# Altium PCB 键盘-Tony.PcbDoc (part 3 of 4) (continued)
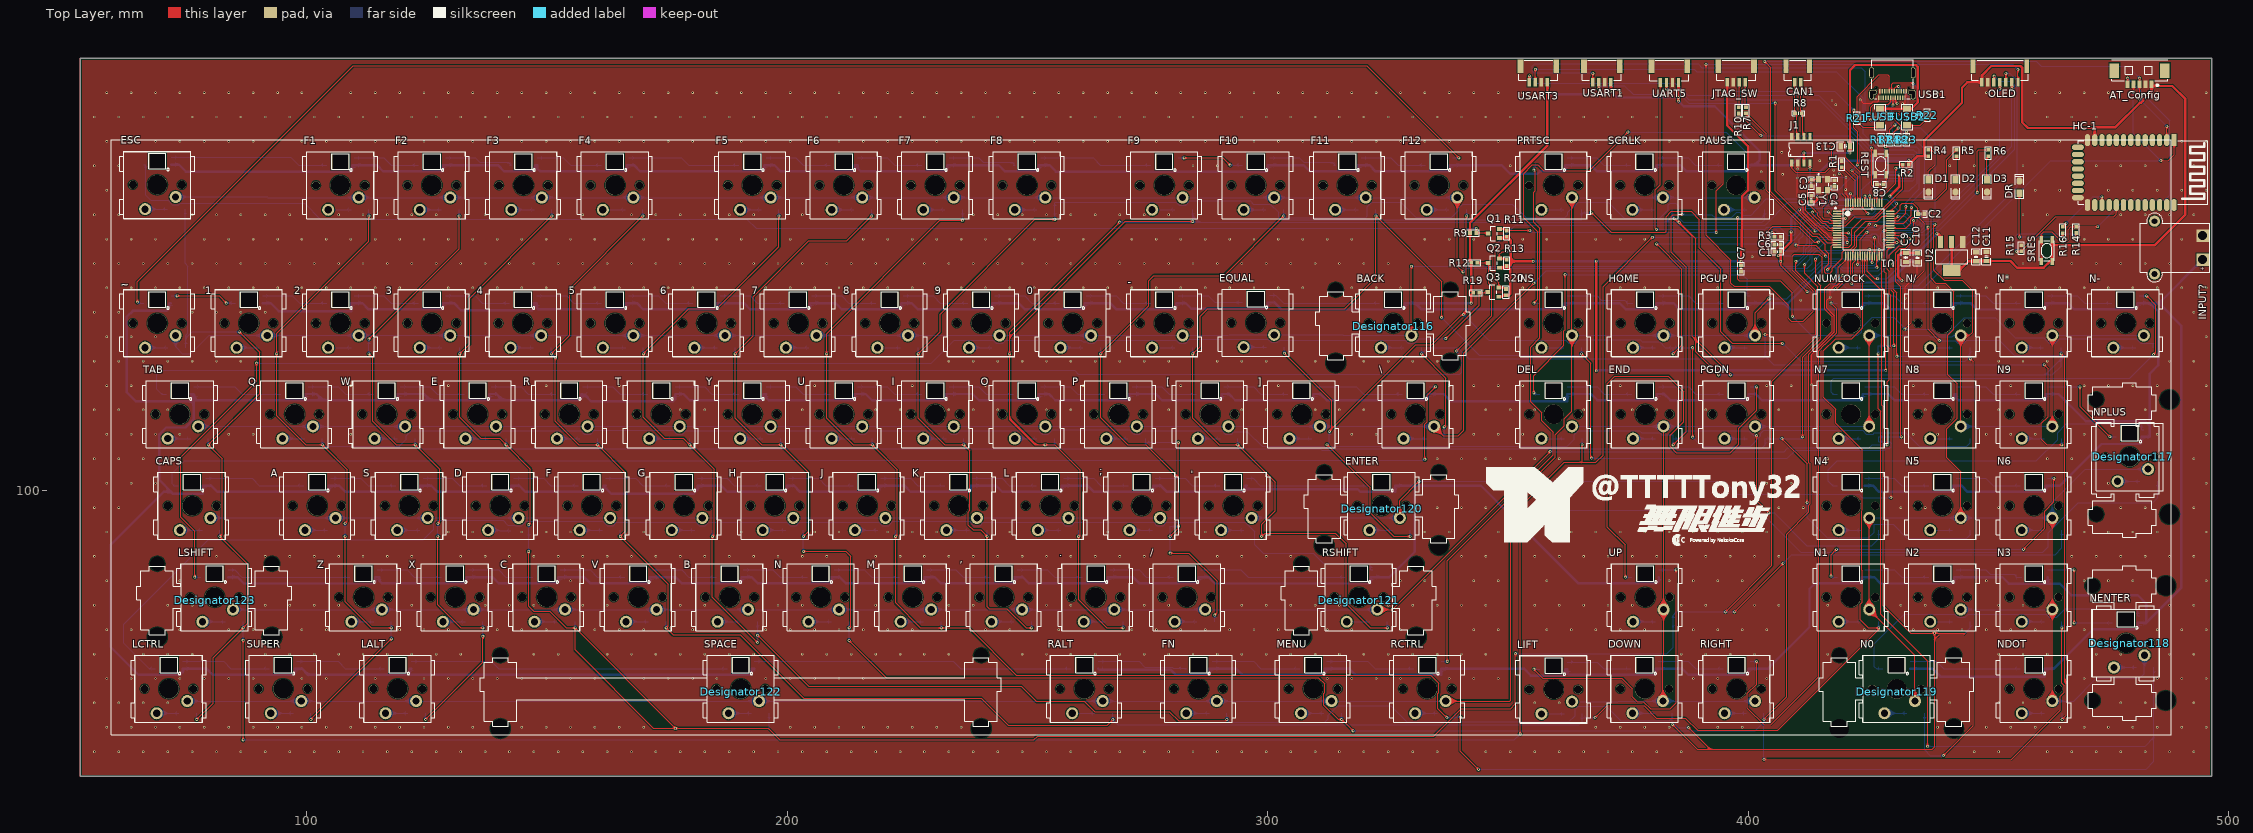
[diagram p0: Top Layer view]
## Nets (pads, with @x,y where several pads share a name; then routed paths per layer and width w, separated by ;. In a path a pad name is that pad's centre, name@x,y a point inside that pad or via, vN(x,y) a via of type N, cw(c..) or ccw(c..) an arc to the next point about the centre after c; other vN are vias at no path point) (continued)
NetD31_1: D31.1 TAB.2 | length 4.7
  Bottom Layer w0.254: TAB.2@71.12,110.871 D31.1@75.87,110.871
NetD32_1: D32.1 Q.2 | length 4.6
  Bottom Layer w0.254: Q.2@94.996,110.871 D32.1@99.619,110.871
NetD33_1: D33.1 W.2 | length 4.7
  Bottom Layer w0.254: W.2@114.173,110.871 D33.1@118.923,110.871
NetD34_1: D34.1 E.2 | length 4.7
  Bottom Layer w0.254: E.2@133.096,110.871 D34.1@137.846,110.871
NetD35_1: D35.1 R.2 | length 4.7
  Bottom Layer w0.254: R.2@152.146,110.871 D35.1@156.896,110.871
NetD36_1: D36.1 T.2 | length 4.7
  Bottom Layer w0.254: T.2@171.323,110.871 D36.1@176.073,110.871
NetD37_1: D37.1 Y.2 | length 4.7
  Bottom Layer w0.254: Y.2@190.246,110.871 D37.1@194.996,110.871
NetD38_1: D38.1 U.2 | length 4.7
  Bottom Layer w0.254: U.2@209.296,110.871 D38.1@214.046,110.871
NetD39_1: D39.1 I.2 | length 4.7
  Bottom Layer w0.254: I.2@228.346,110.871 D39.1@233.096,110.871
NetD40_1: D40.1 O.2 | length 4.6
  Bottom Layer w0.254: O.2@247.396,110.871 D40.1@252.019,110.871
NetD41_1: D41.1 P.2 | length 4.5
  Bottom Layer w0.254: P.2@266.446,110.871 D41.1@270.942,110.871
NetD47_1: D47.1 S.2 | length 4.7
  Bottom Layer w0.254: S.2@118.872,91.821 D47.1@123.622,91.821
NetD48_1: D48.1 D.2 | length 4.8
  Bottom Layer w0.254: D.2@137.795,91.821 140.106,91.821 140.233,91.694 D48.1@142.545,91.694
NetD49_1: D49.1 F.2 | length 4.7
  Bottom Layer w0.254: F.2@156.845,91.821 D49.1@161.595,91.821
NetD50_1: D50.1 G.2 | length 4.7
  Bottom Layer w0.254: G.2@176.022,91.821 D50.1@180.772,91.821
NetD51_1: D51.1 H.2 | length 4.7
  Bottom Layer w0.254: H.2@194.945,91.821 D51.1@199.695,91.821
NetD52_1: D52.1 J.2 | length 4.7
  Bottom Layer w0.254: J.2@214.122,91.821 D52.1@218.872,91.821
NetD53_1: D53.1 K.2 | length 4.7
  Bottom Layer w0.254: K.2@233.172,91.821 D53.1@237.922,91.821
NetD54_1: D54.1 L.2 | length 4.7
  Bottom Layer w0.254: L.2@252.222,91.821 D54.1@256.972,91.821
NetD57_1: D57.1 ENTER.2 | length 4.7
  Bottom Layer w0.254: ENTER.2@321.183,91.821 D57.1@325.933,91.821
NetD58_1: D58.1 LSHIFT.2 | length 4.7
  Bottom Layer w0.254: LSHIFT.2@78.359,72.771 D58.1@83.109,72.771
NetD59_1: D59.1 Z.2 | length 4.6
  Bottom Layer w0.254: Z.2@109.347,72.771 D59.1@113.97,72.771
NetD60_1: D60.1 X.2 | length 4.6
  Bottom Layer w0.254: X.2@128.397,72.771 D60.1@133.02,72.771
NetD62_1: D62.1 V.2 | length 4.6
  Bottom Layer w0.254: V.2@166.497,72.771 D62.1@171.12,72.771
NetD64_1: D64.1 N.2 | length 4.7
  Bottom Layer w0.254: N.2@204.47,72.771 D64.1@209.22,72.771
NetD65_1: D65.1 M.2 | length 4.7
  Bottom Layer w0.254: M.2@223.647,72.771 D65.1@228.397,72.771
NetD69_1: D69.1 RSHIFT.2 | length 4.7
  Bottom Layer w0.254: RSHIFT.2@316.484,72.771 D69.1@321.234,72.771
NetD70_1: D70.1 LCTRL.2 | length 4.6
  Bottom Layer w0.254: LCTRL.2@68.834,53.721 D70.1@73.457,53.721
NetD71_1: D71.1 SUPER.2 | length 4.6
  Bottom Layer w0.254: SUPER.2@92.583,53.721 D71.1@97.206,53.721
NetD72_1: D72.1 LALT.2 | length 4.6
  Bottom Layer w0.254: LALT.2@116.459,53.721 D72.1@121.082,53.721
NetD73_1: D73.1 SPACE.2 | length 4.7
  Bottom Layer w0.254: SPACE.2@187.833,53.721 D73.1@192.583,53.721
NetD74_1: D74.1 RALT.2 | length 4.7
  Bottom Layer w0.254: RALT.2@259.334,53.721 D74.1@264.084,53.721
NetD75_1: D75.1 FN.2 | length 4.7
  Bottom Layer w0.254: FN.2@283.083,53.721 D75.1@287.833,53.721
NetD76_1: D76.1 MENU.2 | length 4.7
  Bottom Layer w0.254: MENU.2@306.959,53.721 D76.1@311.709,53.721
NetD77_1: D77.1 RCTRL.2 | length 4.6
  Bottom Layer w0.254: RCTRL.2@330.708,53.721 D77.1@335.331,53.721
NetD78_1: D78.1 PRTSC.2 | length 4.6
  Bottom Layer w0.254: PRTSC.2@356.997,158.496 D78.1@361.62,158.496
NetD79_1: D79.1 SCRLK.2 | length 4.6
  Bottom Layer w0.254: SCRLK.2@375.92,158.496 D79.1@380.543,158.496
NetD80_1: D80.1 PAUSE.2 | length 4.7
  Bottom Layer w0.254: PAUSE.2@394.97,158.496 D80.1@399.72,158.496
NetD81_1: D81.1 INS.2 | length 4.6
  Bottom Layer w0.254: INS.2@356.997,129.794 D81.1@361.62,129.794
NetD82_1: D82.1 HOME.2 | length 4.6
  Bottom Layer w0.254: HOME.2@376.047,129.794 D82.1@380.67,129.794
NetD83_1: D83.1 PGUP.2 | length 4.7
  Bottom Layer w0.254: PGUP.2@395.097,129.794 D83.1@399.847,129.794
NetD84_1: D84.1 DEL.2 | length 4.7
  Bottom Layer w0.254: DEL.2@356.997,110.871 D84.1@361.747,110.871
NetD85_1: D85.1 END.2 | length 4.6
  Bottom Layer w0.254: END.2@376.047,110.871 D85.1@380.67,110.871
NetD86_1: D86.1 PGDN.2 | length 4.7
  Bottom Layer w0.254: PGDN.2@395.097,110.871 D86.1@399.847,110.871
NetD87_1: D87.1 UP.2 | length 4.6
  Bottom Layer w0.254: UP.2@376.047,72.771 D87.1@380.67,72.771
NetD88_1: D88.1 LIFT.2 | length 4.7
  Bottom Layer w0.254: LIFT.2@356.997,53.594 D88.1@361.747,53.594
NetD89_1: D89.1 DOWN.2 | length 4.6
  Bottom Layer w0.254: DOWN.2@375.92,53.721 D89.1@380.543,53.721
NetD90_1: D90.1 RIGHT.2 | length 4.5
  Bottom Layer w0.254: RIGHT.2@395.097,53.721 D90.1@399.593,53.721
NetD91_1: D91.1 NUMLOCK.2 | length 4.5
  Bottom Layer w0.254: NUMLOCK.2@418.846,129.794 D91.1@423.342,129.794
NetD92_1: D92.1 N/.2 | length 4.6
  Bottom Layer w0.254: N/.2@437.896,129.794 D92.1@442.519,129.794
NetD93_1: D93.1 N*.2 | length 4.5
  Bottom Layer w0.254: N*.2@456.946,129.794 D93.1@461.442,129.794
NetD94_1: D94.1 N-.2 | length 4.6
  Bottom Layer w0.254: N-.2@475.996,129.794 D94.1@480.619,129.794
NetD95_1: D95.1 N7.2 | length 4.6
  Bottom Layer w0.254: N7.2@418.846,110.871 D95.1@423.469,110.871
NetD96_1: D96.1 N8.2 | length 4.6
  Bottom Layer w0.254: N8.2@437.896,110.871 D96.1@442.519,110.871
NetD97_1: D97.1 N9.2 | length 4.6
  Bottom Layer w0.254: N9.2@456.946,110.871 D97.1@461.569,110.871
NetD98_1: D98.1 NPLUS.2 | length 4.6
  Bottom Layer w0.254: NPLUS.2@476.885,101.981 D98.1@481.508,101.981
NetD99_1: D99.1 N4.2 | length 4.6
  Bottom Layer w0.254: N4.2@418.846,91.821 D99.1@423.469,91.821
NetD100_1: D100.1 N5.2 | length 4.6
  Bottom Layer w0.254: N5.2@437.896,91.821 D100.1@442.519,91.821
NetD101_1: D101.1 N6.2 | length 4.6
  Bottom Layer w0.254: N6.2@456.946,91.821 D101.1@461.569,91.821
NetD102_1: D102.1 N1.2 | length 4.6
  Bottom Layer w0.254: N1.2@418.846,72.771 D102.1@423.469,72.771
NetD103_1: D103.1 N2.2 | length 4.6
  Bottom Layer w0.254: N2.2@437.896,72.771 D103.1@442.519,72.771
NetD104_1: D104.1 N3.2 | length 4.6
  Bottom Layer w0.254: N3.2@456.946,72.771 D104.1@461.569,72.771
NetD105_1: D105.1 NENTER.2 | length 4.6
  Bottom Layer w0.254: NENTER.2@476.123,63.246 D105.1@480.746,63.246
NetD106_1: D106.1 N0.2 | length 4.6
  Bottom Layer w0.254: N0.2@428.371,53.721 D106.1@432.994,53.721
NetD107_1: D107.1 NDOT.2 | length 4.7
  Bottom Layer w0.254: NDOT.2@456.946,53.721 D107.1@461.645,53.721
NetD_4: D.4 F.6 | length 14
  Bottom Layer w0.254: D.4@143.185,102.604 149.377,102.604 150.877,101.104 F.6@156.535,101.104
NetD_6: D.6 S.4 | length 13.8
  Bottom Layer w0.254: S.4@124.262,102.604 130.378,102.604 131.878,101.104 D.6@137.485,101.104
NetDEL_4: DEL.4 END.6 | length 14
  Bottom Layer w0.254: DEL.4@362.387,121.654 368.579,121.654 370.079,120.154 END.6@375.737,120.154
NetDOWN_4: DOWN.4 RIGHT.6 | length 14.1
  Bottom Layer w0.254: DOWN.4@381.31,64.504 387.553,64.504 389.053,63.004 RIGHT.6@394.787,63.004
NetDOWN_6: DOWN.6 LIFT.4 | length 13.8
  Bottom Layer w0.254: LIFT.4@362.387,64.377 368.579,64.377 369.952,63.004 DOWN.6@375.61,63.004
NetDR_1: DR.1 R16.2 | length 18.9
  Top Layer w0.254: v2(456.438,152.832) DR.1@456.438,161.925 ; v2(465.455,152.832) R16.2@465.455,153.64
  Bottom Layer w0.254: v2(456.438,152.832) v2(465.455,152.832)
NetE_4: E.4 R.6 | length 14
  Bottom Layer w0.254: E.4@138.486,121.654 144.678,121.654 146.178,120.154 R.6@151.836,120.154
NetE_6: E.6 W.4 | length 13.8
  Bottom Layer w0.254: W.4@119.563,121.654 125.679,121.654 127.179,120.154 E.6@132.786,120.154
NetEND_4: END.4 PGDN.6 | length 14
  Bottom Layer w0.254: END.4@381.437,121.654 387.629,121.654 389.129,120.154 PGDN.6@394.787,120.154
NetESC_4: ESC.4 F1.6 | length 33.1
  Bottom Layer w0.254: ESC.4@71.811,169.406 96.761,169.406 98.388,167.779 F1.6@104.211,167.779
NetF1_4: F1.4 F2.6 | length 14
  Bottom Layer w0.254: F1.4@109.911,169.279 116.103,169.279 117.603,167.779 F2.6@123.261,167.779
NetF2_4: F2.4 F3.6 | length 14.5
  Bottom Layer w0.254: F2.4@128.961,169.279 135.153,169.279 136.056,168.377 141.986,168.377 142.584,167.779 F3.6@142.311,167.779
NetF3_4: F3.4 F4.6 | length 14
  Bottom Layer w0.254: F3.4@148.011,169.279 153.45,169.279 154.95,167.779 F4.6@161.361,167.779
NetF4_4: F4.4 F5.6 | length 23.5
  Bottom Layer w0.254: F4.4@167.061,169.279 178.003,169.279 179.503,167.779 F5.6@189.936,167.779
NetF5_4: F5.4 F6.6 | length 14
  Bottom Layer w0.254: F5.4@195.636,169.279 201.828,169.279 203.328,167.779 F6.6@208.986,167.779
NetF6_4: F6.4 F7.6 | length 14
  Bottom Layer w0.254: F6.4@214.686,169.279 220.878,169.279 222.378,167.779 F7.6@228.036,167.779
NetF7_4: F7.4 F8.6 | length 14.5
  Bottom Layer w0.254: F7.4@233.736,169.279 239.928,169.279 240.831,168.377 246.761,168.377 247.359,167.779 F8.6@247.086,167.779
NetF8_4: F8.4 F9.6 | length 23.5
  Bottom Layer w0.254: F8.4@252.786,169.279 263.728,169.279 265.228,167.779 F9.6@275.661,167.779
NetF9_4: F9.4 F10.6 | length 14
  Top Layer w0.254: v2(282.651,169.291) 290.69,169.291 v2(292.202,167.779)
  Bottom Layer w0.254: F9.4@281.361,169.279 282.639,169.279 v2(282.651,169.291) ; v2(292.202,167.779) F10.6@294.711,167.779
NetF10_4: F10.4 F11.6 | length 14.5
  Bottom Layer w0.254: F10.4@300.411,169.279 306.603,169.279 307.506,168.377 313.436,168.377 314.034,167.779 F11.6@313.761,167.779
NetF11_4: F11.4 F12.6 | length 14
  Bottom Layer w0.254: F11.4@319.461,169.279 325.653,169.279 327.153,167.779 F12.6@332.811,167.779
NetF_4: F.4 G.6 | length 14.1
  Bottom Layer w0.254: F.4@162.235,102.604 168.478,102.604 169.978,101.104 G.6@175.712,101.104
NetFN_4: FN.4 MENU.6 | length 18.8
  Bottom Layer w0.254: FN.4@288.473,64.504 297.078,64.504 298.578,63.004 MENU.6@306.649,63.004
NetFN_6: FN.6 RALT.4 | length 19.2
  Bottom Layer w0.254: RALT.4@264.724,64.504 273.253,64.504 274.438,63.319 280.149,63.319 280.349,63.119 282.931,63.119 283.046,63.004 FN.6@282.773,63.004
NetFUSB2_1: FUSB2.1 R22.2 | length 4.8
  Top Layer w0.254: FUSB2.1@433.07,176.085 435.815,176.085 R22.2@437.261,177.531
NetFUSB_2: FUSB.2 R21.1 | length 5.7
  Top Layer w0.254: R21.1@422.656,176.911 423.887,175.68 426.784,175.68 426.784,176.085 FUSB.2@427.482,176.085
NetG_4: G.4 H.6 | length 13.8
  Bottom Layer w0.254: G.4@181.412,102.604 187.528,102.604 189.028,101.104 H.6@194.635,101.104
NetH_4: H.4 J.6 | length 14.1
  Bottom Layer w0.254: H.4@200.335,102.604 206.578,102.604 208.078,101.104 J.6@213.812,101.104
NetHC-1_24: HC-1.24 R16.1 | length 12.5
  Top Layer w0.254: R16.1@465.455,154.94 v2(466.166,155.651) ; HC-1.24@473.622,159.493 v2(473.622,161.188)
  Bottom Layer w0.254: v2(466.166,155.651) 471.703,161.188 v2(473.622,161.188)
NetHC-1_26: HC-1.26 R14.1 R15.1 | length 42.9
  Top Layer w0.254: v2(455.803,149.845) R15.1@456.819,149.845 464.048,157.074 476.098,157.074 476.622,157.598 HC-1.26@476.622,159.493 ; v2(468.249,152.842) R14.1@468.249,153.655
  Bottom Layer w0.254: v2(455.803,149.845) 455.803,153.162 456.184,153.543 467.548,153.543 v2(468.249,152.842)
NetHOME_4: HOME.4 PGUP.6 | length 14
  Bottom Layer w0.254: HOME.4@381.437,140.577 387.629,140.577 389.129,139.077 PGUP.6@394.787,139.077
NetHOME_6: HOME.6 INS.4 | length 14.2
  Bottom Layer w0.254: INS.4@362.387,140.577 368.579,140.577 369.482,139.675 374.306,139.675 374.904,139.077 HOME.6@375.737,139.077 HOME.6@376.01,139.077
NetI_4: I.4 O.6 | length 14
  Bottom Layer w0.254: I.4@233.736,121.654 239.928,121.654 241.428,120.154 O.6@247.086,120.154
NetI_6: I.6 U.4 | length 14
  Bottom Layer w0.254: U.4@214.686,121.654 220.878,121.654 222.378,120.154 I.6@228.036,120.154
NetINS_6: INS.6 PAUSE.4 | length 84.2
  Top Layer w0.254: v2(355.422,139.077) 356.184,139.839 356.184,153.949 353.263,156.87 353.263,165.989 355.092,167.818 356.21,167.818 357.429,166.599 366.903,166.599 v2(374.98,174.676)
  Bottom Layer w0.254: v2(355.422,139.077) INS.6@356.687,139.077 ; v2(374.98,174.676) 395.453,174.676 399.948,170.18 399.948,169.279 PAUSE.4@400.36,169.279
NetJ_4: J.4 K.6 | length 14
  Bottom Layer w0.254: J.4@219.512,102.604 225.704,102.604 227.204,101.104 K.6@232.862,101.104
NetJTAG_SW_1: JTAG_SW.1 R7.1 | length 5.3
  Top Layer w0.254: JTAG_SW.1@399.395,185.039 399.395,179.994 R7.1@399.542,179.847
NetJTAG_SW_2: JTAG_SW.2 R10.1 | length 5.3
  Top Layer w0.254: R10.1@398.018,179.832 398.145,179.959 JTAG_SW.2@398.145,185.039
NetK_4: K.4 L.6 | length 14
  Bottom Layer w0.254: K.4@238.562,102.604 244.754,102.604 246.254,101.104 L.6@251.912,101.104
NetLALT_4: LALT.4 SPACE.6 | length 66.3
  Bottom Layer w0.254: LALT.4@121.849,64.504 138.493,64.504 139.993,63.004 SPACE.6@187.523,63.004
NetLALT_6: LALT.6 SUPER.4 | length 18.8
  Bottom Layer w0.254: SUPER.4@97.973,64.504 106.578,64.504 108.078,63.004 LALT.6@116.149,63.004
NetLCTRL_4: LCTRL.4 SUPER.6 | length 18.7
  Bottom Layer w0.254: LCTRL.4@74.224,64.504 82.753,64.504 84.253,63.004 SUPER.6@92.273,63.004
NetLIFT_6: LIFT.6 UP.4 | length 67.1
  Top Layer w0.254: v2(355.397,62.89) 357.251,61.036 373.736,61.036 375.92,58.852 375.92,57.175 376.936,56.159 378.155,56.159 379.705,54.61 383.743,54.61 385.013,55.88 v2(385.013,83.541)
  Bottom Layer w0.254: v2(355.397,62.89) 355.41,62.877 LIFT.6@356.687,62.877 ; UP.4@381.437,83.554 385,83.554 v2(385.013,83.541)
NetLSHIFT_4: LSHIFT.4 Z.6 | length 25.9
  Bottom Layer w0.254: LSHIFT.4@83.749,83.554 85.031,83.554 86.531,82.054 Z.6@109.037,82.054
NetM_6: M.6 N.4 | length 14.1
  Bottom Layer w0.254: N.4@209.86,83.554 216.103,83.554 217.603,82.054 M.6@223.337,82.054
NetMENU_4: MENU.4 RCTRL.6 | length 18.7
  Bottom Layer w0.254: MENU.4@312.349,64.504 320.878,64.504 322.378,63.004 RCTRL.6@330.398,63.004
NetN0_4: N0.4 NDOT.6 | length 23.5
  Bottom Layer w0.254: N0.4@433.761,64.504 439.191,64.504 440.691,63.004 NDOT.6@456.636,63.004
NetN0_6: N0.6 NENTER.4 | length 67.1
  Bottom Layer w0.254: N0.6@428.061,63.004 426.72,63.004 426.288,63.436 426.288,68.148 432.511,74.371 442.956,74.371 443.593,73.734 445.135,73.734 445.772,74.371 462.006,74.371 462.643,73.734 464.236,73.734 465.991,75.489 480.568,75.489 481.101,74.955 481.101,74.029 NENTER.4@481.513,74.029
NetN1_4: N1.4 N2.6 | length 14
  Bottom Layer w0.254: N1.4@424.236,83.554 430.428,83.554 431.928,82.054 N2.6@437.586,82.054
NetN1_6: N1.6 N6.4 | length 65
  Top Layer w0.254: v2(417.246,82.271) 417.246,86.69 v2(418.389,87.833) ; v2(457.302,87.833) 461.716,92.248 461.716,95.795 463.626,97.705 v2(463.626,102.604)
  Bottom Layer w0.254: v2(417.246,82.271) 417.462,82.054 N1.6@418.536,82.054 ; v2(418.389,87.833) v2(457.302,87.833) ; N6.4@462.336,102.604 v2(463.626,102.604)
NetN2_4: N2.4 N3.6 | length 14.2
  Bottom Layer w0.254: N2.4@443.286,83.554 449.478,83.554 450.381,82.652 455.332,82.652 455.93,82.054 N3.6@456.636,82.054 N3.6@456.909,82.054
NetN3_4: N3.4 NENTER.6 | length 24.5
  Top Layer w0.254: v2(467.843,72.529) v2(467.843,83.554)
  Bottom Layer w0.254: N3.4@462.336,83.554 v2(467.843,83.554) ; v2(467.843,72.529) NENTER.6@475.813,72.529
NetN4_4: N4.4 N5.6 | length 14
  Bottom Layer w0.254: N4.4@424.236,102.604 430.428,102.604 431.928,101.104 N5.6@437.586,101.104
NetN4_6: N4.6 NPLUS.4 | length 76
  Bottom Layer w0.254: N4.6@418.536,101.104 417.576,101.104 416.687,101.993 416.687,104.369 418.592,106.274 459.994,106.274 464.388,110.668 464.388,112.116 466.214,113.941 481.584,113.941 481.863,113.662 481.863,112.764 NPLUS.4@482.275,112.764
NetN5_4: N5.4 N6.6 | length 14
  Bottom Layer w0.254: N5.4@443.286,102.604 449.478,102.604 450.978,101.104 N6.6@456.636,101.104
NetN7_4: N7.4 N8.6 | length 14
  Bottom Layer w0.254: N7.4@424.236,121.654 430.428,121.654 431.928,120.154 N8.6@437.586,120.154
NetN7_6: N7.6 N-.4 | length 87.9
  Top Layer w0.254: v2(482.905,140.577) 484.81,138.672 484.81,128.829 v2(484.353,128.372)
  Bottom Layer w0.254: N7.6@418.536,120.154 417.576,120.154 417.246,120.484 417.246,122.885 417.83,123.469 479.45,123.469 v2(484.353,128.372) ; N-.4@481.386,140.577 v2(482.905,140.577)
NetN8_4: N8.4 N9.6 | length 14
  Bottom Layer w0.254: N8.4@443.286,121.654 449.478,121.654 450.978,120.154 N9.6@456.636,120.154
NetN*_4: N*.4 N-.6 | length 14
  Bottom Layer w0.254: N*.4@462.336,140.577 468.528,140.577 470.028,139.077 N-.6@475.686,139.077
NetN*_6: N*.6 N/.4 | length 14
  Bottom Layer w0.254: N/.4@443.286,140.577 449.478,140.577 450.978,139.077 N*.6@456.636,139.077
NetN/_6: N/.6 NUMLOCK.4 | length 14
  Bottom Layer w0.254: NUMLOCK.4@424.236,140.577 430.428,140.577 431.928,139.077 N/.6@437.586,139.077
NetNUMLOCK_6: NUMLOCK.6 RIGHT.4 | length 113.4
  Top Layer w0.254: v2(401.777,64.516) 401.777,59.766 399.847,57.836 399.847,54.788 403.327,51.308 404.698,51.308 414.68,61.29 414.68,129.184 415.963,130.467 416.002,130.467 418.408,132.872 418.408,137.903 v2(417.246,139.065)
  Bottom Layer w0.254: RIGHT.4@400.487,64.504 401.765,64.504 v2(401.777,64.516) ; v2(417.246,139.065) 417.258,139.077 NUMLOCK.6@418.536,139.077
NetO_4: O.4 P.6 | length 14
  Bottom Layer w0.254: O.4@252.786,121.654 258.978,121.654 260.478,120.154 P.6@266.136,120.154
NetPAUSE_6: PAUSE.6 SCRLK.4 | length 14
  Bottom Layer w0.254: SCRLK.4@381.31,169.279 387.502,169.279 389.002,167.779 PAUSE.6@394.66,167.779
NetPGDN_4: PGDN.4 UP.6 | length 103.8
  Top Layer w0.254: v2(374.447,82.054) 374.447,88.748 370.713,92.481 370.713,122.301 372.237,123.825 383.413,123.825 386.588,120.65 386.588,114.427 383.743,111.582 383.743,109.271 385.064,107.95 396.249,107.95 398.027,109.728 398.027,113.005 401.777,116.755 v2(401.777,121.654)
  Bottom Layer w0.254: v2(374.447,82.054) UP.6@375.737,82.054 ; PGDN.4@400.487,121.654 v2(401.777,121.654)
NetPRTSC_4: PRTSC.4 SCRLK.6 | length 13.8
  Bottom Layer w0.254: PRTSC.4@362.387,169.279 368.503,169.279 370.003,167.779 SCRLK.6@375.61,167.779
NetPRTSC_6: PRTSC.6 RCTRL.4 | length 118.2
  Top Layer w0.254: v2(337.388,64.516) 337.388,85.499 359.432,107.544 359.432,112.246 357.099,114.579 357.099,116.205 354.762,118.542 354.762,129.896 356.685,131.819 356.685,154.642 355.397,155.931 355.397,162.154 355.651,162.408 355.651,166.497 v2(355.397,166.751)
  Bottom Layer w0.254: RCTRL.4@336.098,64.504 337.376,64.504 v2(337.388,64.516) ; v2(355.397,166.751) 355.397,167.31 355.866,167.779 PRTSC.6@356.687,167.779
NetQ_4: Q.4 W.6 | length 14.1
  Bottom Layer w0.254: Q.4@100.386,121.654 106.629,121.654 108.129,120.154 W.6@113.863,120.154
NetQ_6: Q.6 TAB.4 | length 18.8
  Bottom Layer w0.254: TAB.4@76.51,121.654 85.115,121.654 86.615,120.154 Q.6@94.686,120.154
NetR1_1: R1.1 U1.60 | length 8.5
  Top Layer w0.254: R1.1@419.481,167.356 422.303,164.534 U1.60@422.303,159.982
NetR3_1: R3.1 U1.28 | length 26.2
  Top Layer w0.254: v2(404.978,153.721) 405.486,153.721 R3.1@405.496,152.908 ; v2(410.003,151.133) 414.047,151.133 416.111,149.07 v2(416.111,148.844) ; v2(425.803,147.549) U1.28@425.803,148.882
  Bottom Layer w0.254: v2(404.978,153.721) 407.057,151.641 409.495,151.641 v2(410.003,151.133) ; v2(416.111,148.844) 416.337,148.844 416.908,148.273 425.079,148.273 v2(425.803,147.549)
NetR21_2: R21.2 USB1.B5 | length 15.8
  Top Layer w0.254: R21.2@422.656,178.211 422.656,182.042 427.224,186.61 429.054,186.61 429.397,186.267 USB1.B5@429.397,183.116
NetR22_1: R22.1 USB1.A5 | length 14.7
  Top Layer w0.254: v2(428.777,178.587) 431.216,178.587 431.927,177.876 436.306,177.876 R22.1@437.261,178.831 ; USB1.A5@430.647,181.816 430.647,180.985 v2(430.987,180.645)
  Bottom Layer w0.254: v2(428.777,178.587) 428.777,179.857 430.022,181.102 430.53,181.102 v2(430.987,180.645)
NetR_4: R.4 T.6 | length 14.1
  Bottom Layer w0.254: R.4@157.536,121.654 163.779,121.654 165.279,120.154 T.6@171.013,120.154
NetRALT_6: RALT.6 SPACE.4 | length 66.4
  Bottom Layer w0.254: SPACE.4@193.223,64.504 234.606,64.504 236.106,63.004 RALT.6@259.024,63.004
NetT_4: T.4 Y.6 | length 13.8
  Bottom Layer w0.254: T.4@176.713,121.654 182.829,121.654 184.329,120.154 Y.6@189.936,120.154
NetU_6: U.6 Y.4 | length 14
  Bottom Layer w0.254: Y.4@195.636,121.654 201.828,121.654 203.328,120.154 U.6@208.986,120.154
NetX_6: X.6 Z.4 | length 14
  Bottom Layer w0.254: Z.4@114.737,83.554 120.929,83.554 122.429,82.054 X.6@128.087,82.054
NRST: C8.1 R2.2 REST.1 U1.7 | length 32
  Top Layer w0.254: U1.7@418.503,155.182 420.282,155.182 422.16,157.061 426.37,157.061 432.151,162.842 R2.2@432.151,167.894 428.879,167.894 428.734,167.749 ; C8.1@428.132,163.83 428.734,164.432 REST.1@428.734,165.771 428.734,167.749 ; REST.1@428.734,170.271 428.734,167.749
OLED_CLK(PA5): OLED.3 U1.21 | length 76.1
  Top Layer w0.254: v2(421.564,143.104) 421.767,143.307 421.767,147.343 422.303,147.879 U1.21@422.303,148.882 ; OLED.3@453.644,185.039 v2(453.644,186.868)
  Bottom Layer w0.254: v2(421.564,143.104) 422.005,142.662 435.372,142.662 455.981,163.271 455.981,185.318 454.431,186.868 v2(453.644,186.868)
OLED_DC(PA4): OLED.4 U1.20 | length 57.4
  Top Layer w0.254: U1.20@421.803,148.882 421.803,150.074 422.605,150.876 422.605,152.908 v2(425.217,155.52) ; v2(452.394,183.718) OLED.4@452.394,185.039
  Bottom Layer w0.254: v2(425.217,155.52) 425.725,156.028 432.776,156.028 433.654,155.149 435.229,155.149 435.779,155.699 435.779,156.541 435.815,156.578 438.873,156.578 452.394,170.098 v2(452.394,183.718)
OLED_MOSI(PA7): OLED.2 U1.23 | length 57.5
  Top Layer w0.254: U1.23@423.303,148.882 423.303,152.4 v2(424.717,153.814) ; v2(454.889,183.718) 454.894,183.724 OLED.2@454.894,185.039
  Bottom Layer w0.254: v2(424.717,153.814) 425.214,154.311 427.107,154.311 428.37,155.574 432.023,155.574 432.902,154.695 435.717,154.695 436.233,155.211 436.233,155.702 436.655,156.124 439.341,156.124 454.889,171.671 v2(454.889,183.718)
OLED_RST(PA6): OLED.5 U1.22 | length 64.9
  Top Layer w0.254: v2(422.803,147.117) U1.22@422.803,148.882 ; OLED.5@451.144,185.039 451.144,186.284 v2(451.187,186.327)
  Bottom Layer w0.254: v2(422.803,147.117) 423.003,146.917 426.212,146.917 428.389,149.094 428.389,150.03 431.692,153.333 437.072,153.333 438.404,154.666 439.134,154.666 455.524,171.055 455.524,184.404 454.711,185.217 452.298,185.217 v2(451.187,186.327)
PH0_OSC_IN: C4.2 U1.5 Y1.3 | length 11.2
  Top Layer w0.254: C4.2@417.957,163.322 417.195,162.56 Y1.3@416.505,162.56 416.505,160.052 415.456,159.004 415.456,156.903 415.755,156.604 416.9,156.604 417.322,156.182 U1.5@418.503,156.182
PH1_OSC_OUT: C3.1 U1.6 Y1.1 | length 15
  Top Layer w0.254: Y1.1@414.655,164.86 413.943,164.86 413.817,164.734 C3.1@413.131,164.734 412.42,164.023 412.42,159.812 412.423,159.808 412.423,159.631 412.615,159.439 412.828,159.439 414.017,158.25 414.017,158.214 414.497,157.734 414.497,157.22 415.567,156.15 416.446,156.15 416.914,155.682 U1.6@418.503,155.682
SWCLK(PA14): R10.2 U1.49 | length 52.9
  Top Layer w0.254: R10.2@398.018,178.532 v2(402.639,173.911) ; U1.49@427.803,159.982 427.803,161.052 430.759,164.008 v2(430.759,167.132)
  Bottom Layer w0.254: v2(402.639,173.911) 421.307,173.911 425.876,169.342 433.905,169.342 434.083,169.164 434.083,168.399 432.816,167.132 v2(430.759,167.132)
SWDIO(PA13): R7.2 U1.46 | length 62.5
  Top Layer w0.254: R7.2@399.542,178.547 403.784,174.305 403.784,162.553 413.324,153.013 414.301,153.013 416.052,151.262 416.052,150.063 416.814,149.301 416.814,147.304 415.9,146.389 415.9,145.542 416.154,145.288 417.043,145.288 417.551,145.796 417.551,146.329 419.608,148.387 419.608,149.631 420.116,150.139 421.208,150.139 422.148,151.079 422.148,153.797 424.504,156.153 426.834,156.153 427.863,157.182 U1.46@429.603,157.182
UART5_RX: U1.54 UART5.3 | length 76.3
  Top Layer w0.254: UART5.3@383,184.991 383,183.674 v2(383.007,183.667) ; U1.54@425.303,159.982 v2(425.303,161.315)
  Bottom Layer w0.254: v2(383.007,183.667) 385.343,183.667 387.663,181.348 414.778,181.348 426.101,170.025 434.394,170.025 434.537,169.881 434.537,164.846 434.251,164.56 427.425,164.56 425.303,162.438 v2(425.303,161.315)
UART5_TX: U1.53 UART5.4 | length 82.9
  Top Layer w0.254: v2(380.924,154.432) 380.67,154.686 380.67,162.611 381.75,163.691 UART5.4@381.75,184.991 ; v2(425.803,158.648) U1.53@425.803,159.982
  Bottom Layer w0.254: v2(380.924,154.432) 403.517,154.432 403.892,154.807 406.605,154.807 408.22,153.191 409.448,153.191 409.764,153.508 409.764,156.581 412.013,158.83 417.854,158.83 418.5,159.477 423.273,159.477 424.101,158.648 v2(425.803,158.648)
USART1_RX: U1.42 USART1.3 | length 85.9
  Top Layer w0.254: v2(368.935,183.718) USART1.3@368.935,185.039 ; v2(405.638,180.696) 405.638,162.408 v2(413.944,154.102) ; v2(426.505,155.182) U1.42@429.603,155.182
  Bottom Layer w0.254: v2(368.935,183.718) 369.519,184.302 374.244,184.302 376.054,182.492 385.826,182.492 387.622,180.696 v2(405.638,180.696) ; v2(413.944,154.102) 414.535,154.102 415.243,154.81 426.133,154.81 v2(426.505,155.182)
USART1_TX: U1.43 USART1.4 | length 129.5
  Top Layer w0.254: USART1.4@367.685,185.039 v2(367.685,186.868) ; U1.43@429.603,155.682 432.352,155.682 433.992,157.322 v2(433.992,159.004)
  Bottom Layer w0.254: v2(367.685,186.868) 367.507,187.046 355.346,187.046 355.092,187.3 355.092,188.341 355.6,188.849 389.611,188.849 390.398,188.062 423.545,188.062 424.377,187.23 424.377,179.276 430.384,173.269 434.553,173.269 436.728,171.094 436.728,162.738 433.992,160.002 v2(433.992,159.004)
USART3_RX: U1.52 USART3.3 | length 111.9
  Top Layer w0.254: USART3.3@355.727,185.039 v2(355.727,187.731) ; U1.52@426.303,159.982 426.303,162.422 v2(426.314,162.433)
  Bottom Layer w0.254: v2(355.727,187.731) 388.798,187.731 389.306,187.223 418.35,187.223 423.923,181.651 423.923,174.326 427.228,171.021 434.388,171.021 435.164,170.245 435.164,164.019 433.578,162.433 v2(426.314,162.433)
USART3_TX: U1.51 USART3.4 | length 91.1
  Top Layer w0.254: USART3.4@354.477,185.039 354.477,186.354 v2(354.482,186.36) ; v2(425.704,171.33) 425.704,163.601 426.237,163.068 426.72,163.068 427.101,162.687 427.101,161.715 426.803,161.417 U1.51@426.803,159.982
  Bottom Layer w0.254: v2(354.482,186.36) 355.981,184.861 384.835,184.861 387.401,182.296 414.738,182.296 v2(425.704,171.33)
USB_D+_1: R18.2 USB1.A6 | length 9.3
  Top Layer w0.254: v2(429.87,177.827) 431.873,175.824 431.873,174.459 R18.2@431.165,173.751 ; v2(430.147,180.289) USB1.A6@430.147,181.816
  Bottom Layer w0.254: v2(429.87,177.827) 429.87,180.012 v2(430.147,180.289)
USB_D+_2: R24.2 USB1.B6 | length 19.9
  Top Layer w0.254: R24.2@429.514,173.766 429.514,175.133 v2(430.53,176.149) ; USB1.B6@429.897,183.116 429.897,184.658 430.177,184.937 434.162,184.937 v2(434.34,184.759)
  Bottom Layer w0.254: v2(430.53,176.149) 435.178,180.797 435.178,183.921 v2(434.34,184.759)
USB_D-_1: R17.2 USB1.A7 | length 13.4
  Top Layer w0.254: v2(425.475,177.14) 425.475,179.832 426.136,180.492 429.139,180.492 429.647,181 USB1.A7@429.647,181.816 ; R17.2@427.736,173.751 428.077,174.092 v2(428.523,174.092)
  Bottom Layer w0.254: v2(425.475,177.14) v2(428.523,174.092)